# KiCad board dsv4.kicad_pcb
note: AISLER Project ID: MXJXBUFF
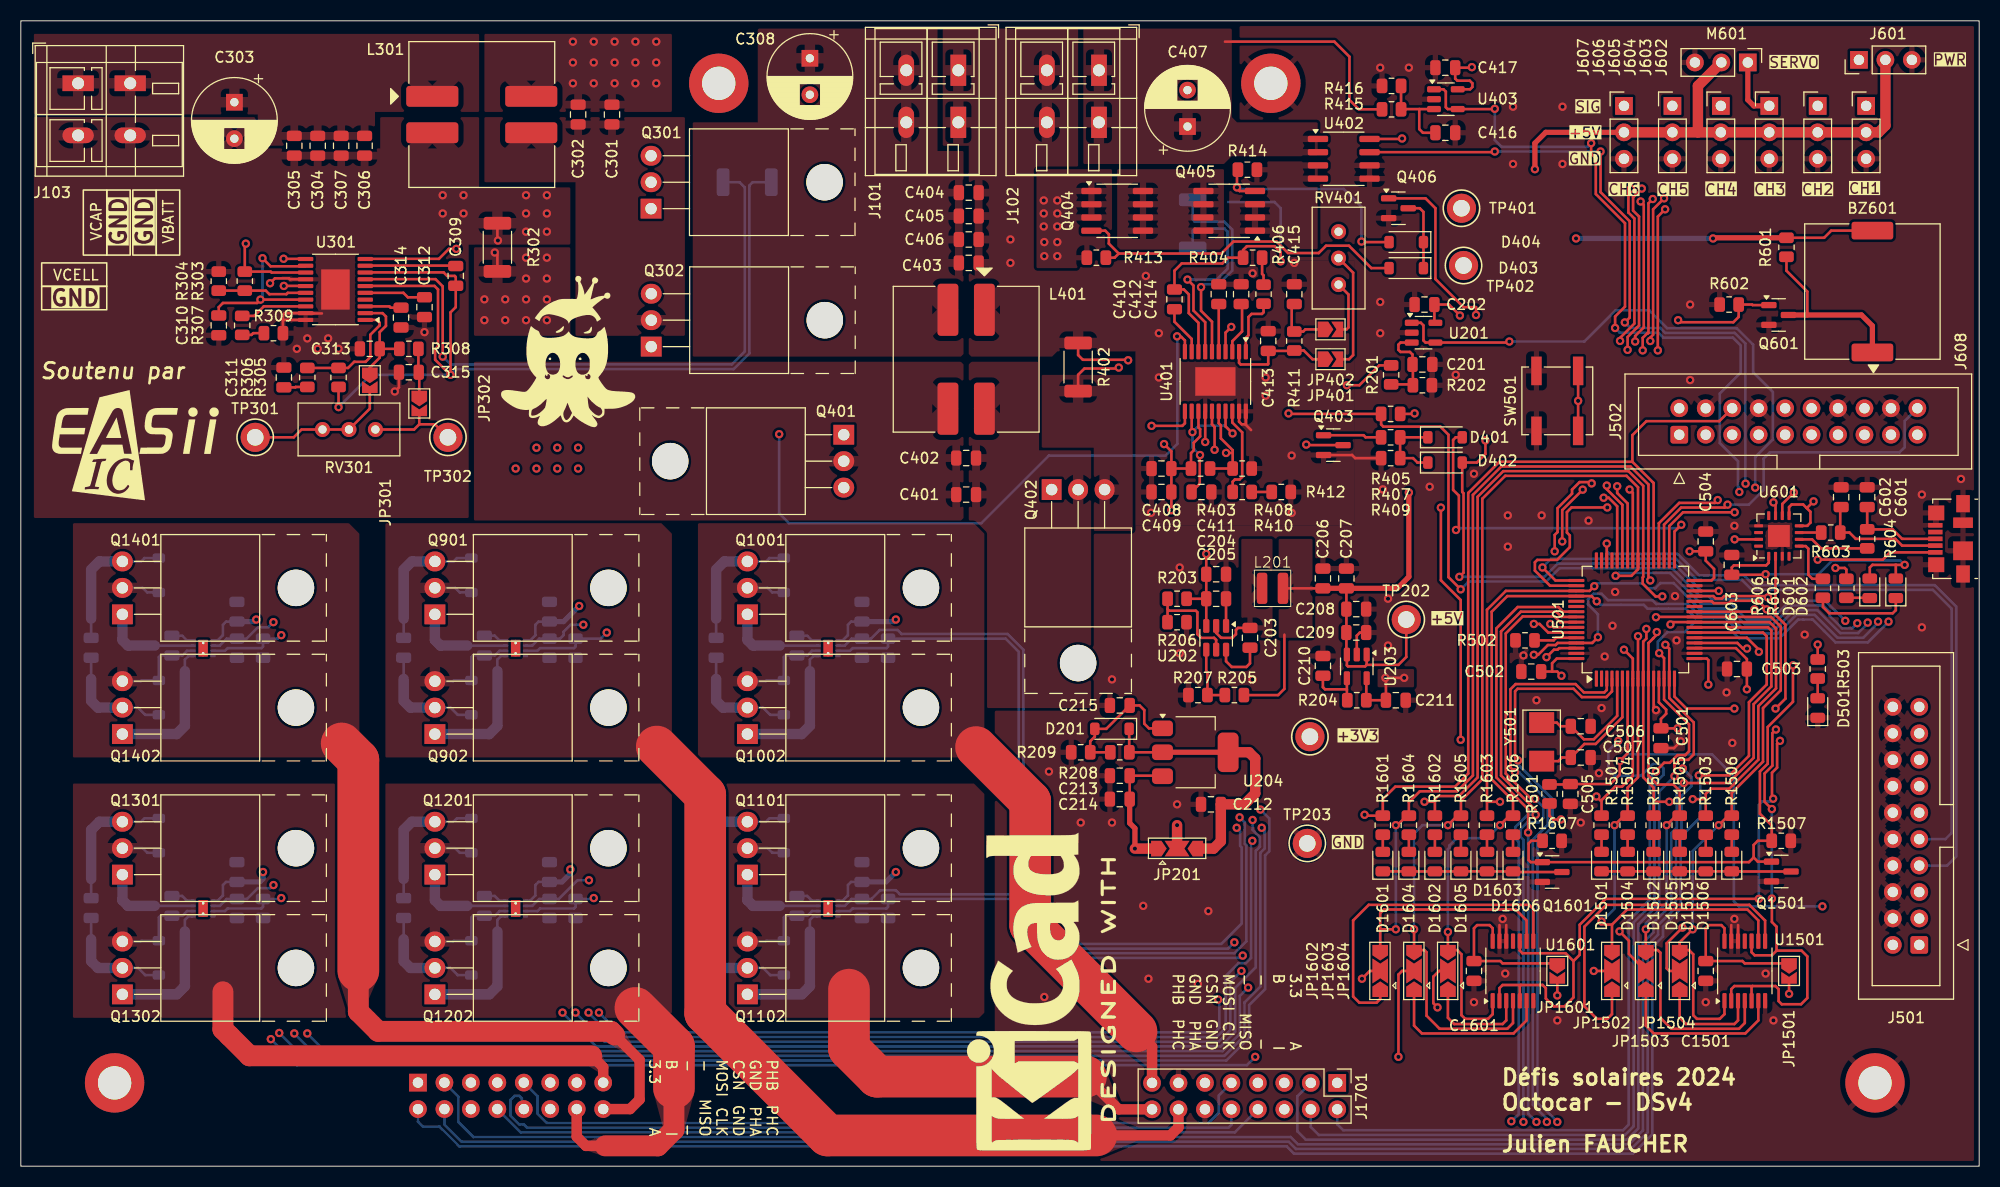
[diagram p0: board, top side]
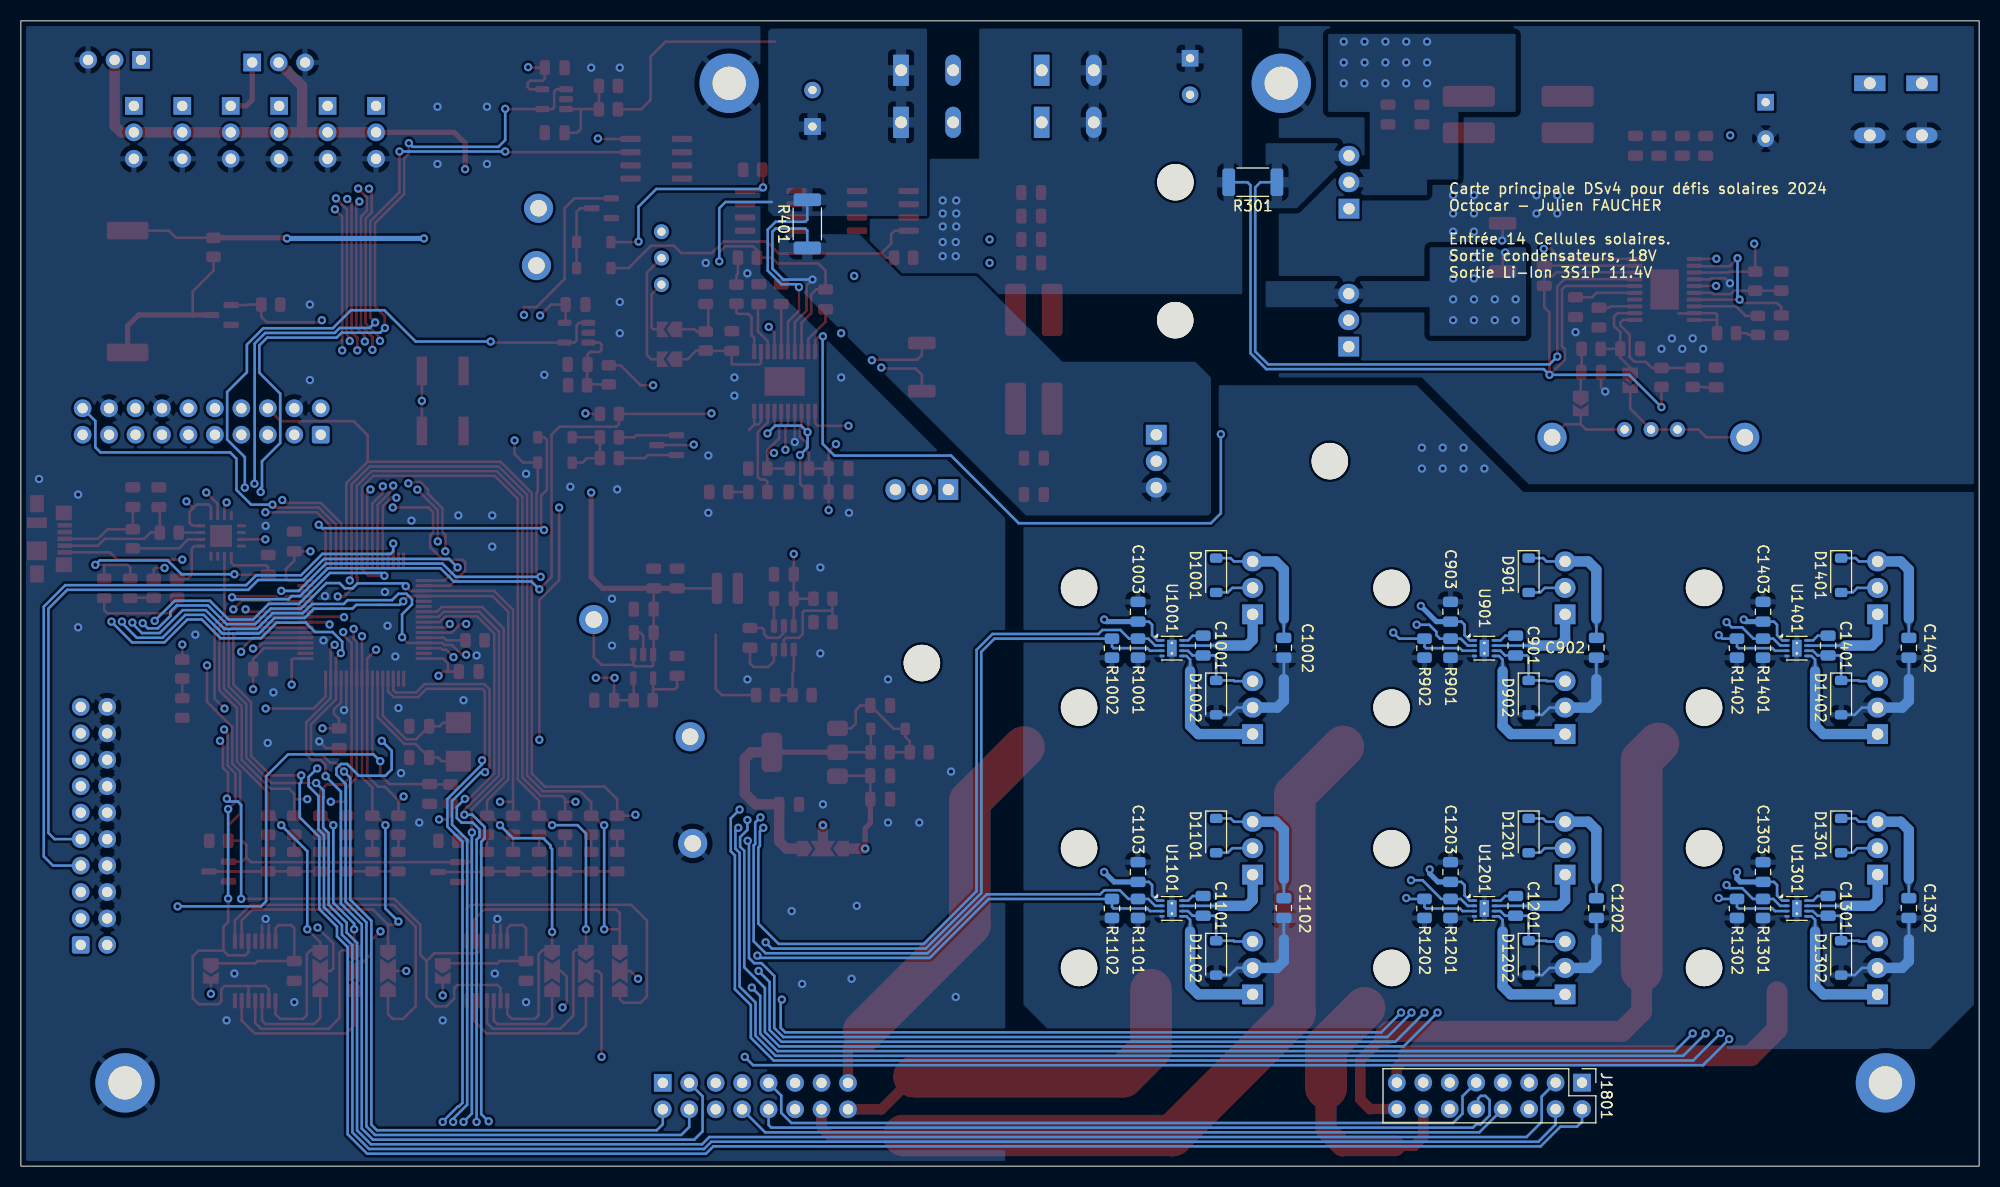
[diagram p1: board, bottom side, seen from below]

Outline 188 x 110 mm; copper layers: Top, In1.Cu, In2.Cu, Bottom. Coordinates in mm from the lower left corner of the outline.
Outline path: rectangle 0,110 188,0
Stack: Top 0.035mm / dielectric 0.1mm FR4 er 4.5 / In1.Cu 0.035mm / dielectric 1.24mm FR4 er 4.5 / In2.Cu 0.035mm / dielectric 0.1mm FR4 er 4.5 / Bottom 0.035mm

## Placement (name value [footprint] x y rotation side)
BZ601  -  [PKLCS1212E4001-R1]  177.75 84 270 top
C201  4.7u  [C_0805_2012Metric]  134.55 77 0 top
C202  100n  [C_0805_2012Metric]  134.75 82.75 180 top
C203  100n  [C_0805_2012Metric]  118 50.75 90 top
C204  2.2u  [C_0805_2012Metric]  114.75 56.85 0 top
C205  100n  [C_0805_2012Metric]  114.75 54.5 0 top
C206  10u  [C_0805_2012Metric]  125 56.44 90 top
C207  10u  [C_0805_2012Metric]  127.25 56.44 90 top
C208  1u  [C_0805_2012Metric]  128.2 53.5 0 top
C209  100n  [C_0805_2012Metric]  128.2 51.25 0 top
C210  10n  [C_0805_2012Metric]  125 48.05 90 top
C211  1u  [C_0805_2012Metric]  132 44.75 0 top
C212  1u  [C_0805_2012Metric]  114.25 34.75 180 top  (not fitted)
C213  1u  [C_0805_2012Metric]  105.5 37.5 180 top  (not fitted)
C214  100n  [C_0805_2012Metric]  105.5 35.25 180 top  (not fitted)
C215  1u  [C_0805_2012Metric]  105.5 44.25 180 top  (not fitted)
C301  10u  [C_0805_2012Metric]  56.75 101 270 top
C302  10u  [C_0805_2012Metric]  53.5 101 270 top
C303  220u  [CP_Radial_D8.0mm_P3.50mm]  20.5 102.18 270 top
C304  10u  [C_0805_2012Metric]  28.5 98 270 top
C305  10u  [C_0805_2012Metric]  26.25 98 270 top
C306  10u  [C_0805_2012Metric]  33 98 270 top
C307  10u  [C_0805_2012Metric]  30.75 98 270 top
C308  220u  [CP_Radial_D8.0mm_P3.50mm]  75.75 106.4 270 top
C309  2.2u  [C_0805_2012Metric]  41.75 85.5 90 top
C310  2.2u  [C_0805_2012Metric]  19 80.75 270 top
C311  C  [C_0805_2012Metric]  25.25 75.75 90 top  (not fitted)
C312  62n  [C_0805_2012Metric]  38.75 82.5 270 top
C313  100p  [C_0805_2012Metric]  33.5 78.5 180 top
C314  560n  [C_0805_2012Metric]  36.5 81.5 270 top
C315  4.7n  [C_0805_2012Metric]  37.25 76.25 180 top
C401  10u  [C_0805_2012Metric]  90.75 64.5 0 top
C402  10u  [C_0805_2012Metric]  90.75 68.01 0 top
C403  10u  [C_0805_2012Metric]  91 86.75 0 top
C404  10u  [C_0805_2012Metric]  91 93.5 0 top
C405  10u  [C_0805_2012Metric]  91 91.25 0 top
C406  10u  [C_0805_2012Metric]  91 89 0 top
C407  220u  [CP_Radial_D8.0mm_P3.50mm]  112 99.85 90 top
C408  10u  [C_0805_2012Metric]  109.5 67 180 top
C409  100n  [C_0805_2012Metric]  109.5 64.75 180 top
C410  2.2u  [C_0805_2012Metric]  110.75 83.25 270 top
C411  2.2u  [C_0805_2012Metric]  113.34 64.75 0 top
C412  62n  [C_0805_2012Metric]  115 83.75 90 top
C413  100p  [C_0805_2012Metric]  119.75 79.25 90 top
C414  560n  [C_0805_2012Metric]  117.15 83.75 90 top
C415  4.7n  [C_0805_2012Metric]  122.25 83.75 90 top
C416  4.7u  [C_0805_2012Metric]  136.75 99.25 0 top
C417  100n  [C_0805_2012Metric]  136.75 105.5 180 top
C501  100n  [C_0805_2012Metric]  157.45 41.1 270 top
C502  100n  [C_0805_2012Metric]  145 47.5 180 top
C503  100n  [C_0805_2012Metric]  164.75 47.75 180 top
C504  100n  [C_0805_2012Metric]  161.75 60 90 top
C505  100n  [C_0805_2012Metric]  148.75 35.75 270 top
C506  18p  [C_0805_2012Metric]  149.75 42.25 0 top
C507  18p  [C_0805_2012Metric]  149.75 39.25 0 top
C601  47p  [C_0805_2012Metric]  177.25 64.25 90 top  (not fitted)
C602  47p  [C_0805_2012Metric]  174.75 64.25 90 top  (not fitted)
C603  100n  [C_0805_2012Metric]  164.25 57.75 90 top
C901  100n  [C_0805_2012Metric]  44.5 50 270 bottom
C902  1n  [C_0805_2012Metric]  36.75 49.79 270 bottom  (not fitted)
C903  1u  [C_0805_2012Metric]  50.75 53.25 90 bottom
C1001  100n  [C_0805_2012Metric]  74.5 50 270 bottom
C1002  1n  [C_0805_2012Metric]  66.75 49.79 270 bottom  (not fitted)
C1003  1u  [C_0805_2012Metric]  80.75 53.25 90 bottom
C1101  100n  [C_0805_2012Metric]  74.5 25 270 bottom
C1102  1n  [C_0805_2012Metric]  66.75 24.79 270 bottom  (not fitted)
C1103  1u  [C_0805_2012Metric]  80.75 28.25 90 bottom
C1201  100n  [C_0805_2012Metric]  44.5 25 270 bottom
C1202  1n  [C_0805_2012Metric]  36.75 24.79 270 bottom  (not fitted)
C1203  1u  [C_0805_2012Metric]  50.75 28.25 90 bottom
C1301  100n  [C_0805_2012Metric]  14.5 25 270 bottom
C1302  1n  [C_0805_2012Metric]  6.75 24.79 270 bottom  (not fitted)
C1303  1u  [C_0805_2012Metric]  20.75 28.25 90 bottom
C1401  100n  [C_0805_2012Metric]  14.5 50 270 bottom
C1402  1n  [C_0805_2012Metric]  6.75 49.79 270 bottom  (not fitted)
C1403  1u  [C_0805_2012Metric]  20.75 53.25 90 bottom
C1501  100n  [C_0805_2012Metric]  161.75 18.75 270 top
C1601  100n  [C_0805_2012Metric]  139.5 18.75 270 top
D201  B5819W-TP  [D_SOD-123]  104.75 42 180 top  (not fitted)
D401  B5819W-TP  [D_SOD-123]  136.72 70 0 top
D402  B5819W-TP  [D_SOD-123]  136.72 67.58 0 top
D403  B5819W-TP  [D_SOD-123]  133 86.25 180 top
D404  B5819W-TP  [D_SOD-123]  133 88.75 180 top
D501  RED  [LED_0805_2012Metric]  172.5 44 90 top
D601  LED  [LED_0805_2012Metric]  177.5 55.5 90 top
D602  LED  [LED_0805_2012Metric]  180 55.5 90 top
D901  B5819W-TP  [D_SOD-123]  43.25 56.75 270 bottom
D902  B5819W-TP  [D_SOD-123]  43.25 45 270 bottom
D1001  B5819W-TP  [D_SOD-123]  73.25 56.75 270 bottom
D1002  B5819W-TP  [D_SOD-123]  73.25 45 270 bottom
D1101  B5819W-TP  [D_SOD-123]  73.25 31.75 270 bottom
D1102  B5819W-TP  [D_SOD-123]  73.25 20 270 bottom
D1201  B5819W-TP  [D_SOD-123]  43.25 31.75 270 bottom
D1202  B5819W-TP  [D_SOD-123]  43.25 20 270 bottom
D1301  B5819W-TP  [D_SOD-123]  13.25 31.75 270 bottom
D1302  B5819W-TP  [D_SOD-123]  13.25 20 270 bottom
D1401  B5819W-TP  [D_SOD-123]  13.25 56.75 270 bottom
D1402  B5819W-TP  [D_SOD-123]  13.25 45 270 bottom
D1501  RED  [LED_0805_2012Metric]  151.75 29.25 90 top
D1502  RED  [LED_0805_2012Metric]  156.75 29.25 90 top
D1503  RED  [LED_0805_2012Metric]  161.75 29.25 90 top
D1504  BLUE  [LED_0805_2012Metric]  154.25 29.25 90 top
D1505  BLUE  [LED_0805_2012Metric]  159.25 29.25 90 top
D1506  BLUE  [LED_0805_2012Metric]  164.25 29.25 90 top
D1601  RED  [LED_0805_2012Metric]  130.75 29.25 90 top
D1602  RED  [LED_0805_2012Metric]  135.75 29.25 90 top
D1603  RED  [LED_0805_2012Metric]  140.75 29.25 90 top
D1604  BLUE  [LED_0805_2012Metric]  133.25 29.25 90 top
D1605  BLUE  [LED_0805_2012Metric]  138.25 29.25 90 top
D1606  BLUE  [LED_0805_2012Metric]  143.25 29.25 90 top
G***  -  [LOGO]  11 69.25 0 top
G***#2  -  [LOGO]  137 6.5 0 top
G***#3  -  [LOGO]  52.5 78.25 0 top
J101  Conn_01x02  [TerminalBlock_WAGO_236-402_1x02_P5.00mm_45Degree]  90 100.25 180 top
J102  Conn_01x02  [TerminalBlock_WAGO_236-402_1x02_P5.00mm_45Degree]  103.5 100.25 180 top
J103  Conn_01x02  [TerminalBlock_WAGO_236-402_1x02_P5.00mm_45Degree]  10.5 104 270 top
J501  Conn_ARM_JTAG_SWD_20  [IDC-Header_2x10_P2.54mm_Vertical]  182.25 21.25 180 top
J502  Debug  [IDC-Header_2x10_P2.54mm_Vertical]  159.21 70.25 90 top
J601  Transponder  [PinHeader_1x03_P2.54mm_Vertical]  176.46 106.25 90 top
J602  Conn_01x03  [PinHeader_1x03_P2.54mm_Vertical]  177.15 101.83 0 top
J603  Conn_01x03  [PinHeader_1x03_P2.54mm_Vertical]  172.5 101.83 0 top
J604  Conn_01x03  [PinHeader_1x03_P2.54mm_Vertical]  167.85 101.83 0 top
J605  Conn_01x03  [PinHeader_1x03_P2.54mm_Vertical]  163.2 101.83 0 top
J606  Conn_01x03  [PinHeader_1x03_P2.54mm_Vertical]  158.55 101.83 0 top
J607  Conn_01x03  [PinHeader_1x03_P2.54mm_Vertical]  153.9 101.83 0 top
J608  USB_B_Micro  [USB_Micro-B_Molex_47346-0001]  185.25 60.25 90 top
J1701  Conn_02x08_Odd_Even  [PinHeader_2x08_P2.54mm_Vertical]  126.38 8 270 top
J1801  Conn_02x08_Odd_Even  [PinHeader_2x08_P2.54mm_Vertical]  38.12 8.03 270 bottom
JP201  DRIVE VSEL  [SolderJumper-3_P2.0mm_Open_TrianglePad1.0x1.5mm]  111 30.5 0 top
JP301  JP_COMP  [SolderJumper-2_P1.3mm_Open_TrianglePad1.0x1.5mm]  33.5 75.47 270 top
JP302  JP_COMP  [SolderJumper-2_P1.3mm_Open_TrianglePad1.0x1.5mm]  38.25 73.25 270 top
JP401  JP_COMP  [SolderJumper-2_P1.3mm_Open_TrianglePad1.0x1.5mm]  125.72 77.5 0 top
JP402  JP_COMP  [SolderJumper-2_P1.3mm_Open_TrianglePad1.0x1.5mm]  125.72 80.36 0 top
JP1501  AND_PWR  [SolderJumper-2_P1.3mm_Open_TrianglePad1.0x1.5mm]  169.75 18.75 270 top
JP1502  AND_BYP  [SolderJumper-3_P2.0mm_Open_TrianglePad1.0x1.5mm]  152.75 18.75 90 top
JP1503  AND_BYP  [SolderJumper-3_P2.0mm_Open_TrianglePad1.0x1.5mm]  156 18.75 90 top
JP1504  AND_BYP  [SolderJumper-3_P2.0mm_Open_TrianglePad1.0x1.5mm]  159.25 18.75 90 top
JP1601  AND_PWR  [SolderJumper-2_P1.3mm_Open_TrianglePad1.0x1.5mm]  147.5 18.75 270 top
JP1602  AND_BYP  [SolderJumper-3_P2.0mm_Open_TrianglePad1.0x1.5mm]  130.5 18.75 90 top
JP1603  AND_BYP  [SolderJumper-3_P2.0mm_Open_TrianglePad1.0x1.5mm]  133.75 18.75 90 top
JP1604  AND_BYP  [SolderJumper-3_P2.0mm_Open_TrianglePad1.0x1.5mm]  137 18.75 90 top
L201  3.3u  [VLS3015CX]  120.16 55.5 0 top
L301  3.3u  [Coilcraft_MSD1260T]  44.25 101 90 top
L401  3.3u  [Coilcraft_MSD1260T]  90.75 77.5 0 top
M601  Servo direction  [PinHeader_1x03_P2.54mm_Vertical]  165.79 106 270 top
P1  CONN_01X01  [MountingHole_3.2mm_M3_ISO7380_Pad]  120 104 0 top
P2  CONN_01X01  [MountingHole_3.2mm_M3_ISO7380_Pad]  9 8 0 top
P3  CONN_01X01  [MountingHole_3.2mm_M3_ISO7380_Pad]  178 8 0 top
P4  CONN_01X01  [MountingHole_3.2mm_M3_ISO7380_Pad]  67 104 0 top
Q301  IXTP28P065T  [TO-220-3_Horizontal_TabUp]  60.5 91.96 90 top
Q302  TK4R3E06PL  [TO-220-3_Horizontal_TabUp]  60.52 78.71 90 top
Q401  IXTP28P065T  [TO-220-3_Horizontal_TabUp]  79 70.25 270 top
Q402  TK4R3E06PL  [TO-220-3_Horizontal_TabUp]  98.96 64.98 0 top
Q403  IRLML0030  [SOT-23]  126 69.25 0 top
Q404  FDS6681Z  [SOIC-8_3.9x4.9mm_P1.27mm]  105.25 91.75 0 top
Q405  FDS6681Z  [SOIC-8_3.9x4.9mm_P1.27mm]  116 91.75 180 top
Q406  IRLML0030  [SOT-23]  132.25 92 0 top
Q601  IRLML0030  [SOT-23]  168.75 81.75 0 top
Q901  TK4R3E06PL  [TO-220-3_Horizontal_TabUp]  39.75 53 90 top
Q902  TK4R3E06PL  [TO-220-3_Horizontal_TabUp]  39.75 41.5 90 top
Q1001  TK4R3E06PL  [TO-220-3_Horizontal_TabUp]  69.75 53 90 top
Q1002  TK4R3E06PL  [TO-220-3_Horizontal_TabUp]  69.75 41.5 90 top
Q1101  TK4R3E06PL  [TO-220-3_Horizontal_TabUp]  69.75 28 90 top
Q1102  TK4R3E06PL  [TO-220-3_Horizontal_TabUp]  69.75 16.5 90 top
Q1201  TK4R3E06PL  [TO-220-3_Horizontal_TabUp]  39.75 28 90 top
Q1202  TK4R3E06PL  [TO-220-3_Horizontal_TabUp]  39.75 16.5 90 top
Q1301  TK4R3E06PL  [TO-220-3_Horizontal_TabUp]  9.75 28 90 top
Q1302  TK4R3E06PL  [TO-220-3_Horizontal_TabUp]  9.75 16.5 90 top
Q1401  TK4R3E06PL  [TO-220-3_Horizontal_TabUp]  9.75 53 90 top
Q1402  TK4R3E06PL  [TO-220-3_Horizontal_TabUp]  9.75 41.5 90 top
Q1501  IRLML0030  [SOT-23]  169 28.3 0 top
Q1601  IRLML0030  [SOT-23]  147 28.25 0 top
R201  33k  [R_0805_2012Metric]  131.55 76 270 top
R202  5.6k  [R_0805_2012Metric]  134.55 75 0 top
R203  150k  [R_0805_2012Metric]  111 54.5 0 top
R204  NM  [R_0805_2012Metric]  128.25 44.75 180 top  (not fitted)
R205  150k  [R_0805_2012Metric]  116.5 45.25 0 top
R206  33k  [R_0805_2012Metric]  111 52.25 180 top
R207  20k  [R_0805_2012Metric]  113 45.25 0 top
R208  2k  [R_0805_2012Metric]  105.5 39.75 180 top  (not fitted)
R209  20k  [R_0805_2012Metric]  101.75 39.75 180 top  (not fitted)
R301  33m  [R_2010_5025Metric]  69.73 94.5 0 bottom
R302  1m  [R_2010_5025Metric]  45.75 88.25 90 top
R303  18k  [R_0805_2012Metric]  21.5 85 270 top
R304  4.7k  [R_0805_2012Metric]  19 85 90 top
R305  200k  [R_0805_2012Metric]  30.5 75.75 90 top
R306  R  [R_0805_2012Metric]  27.5 75.75 270 top  (not fitted)
R307  120k  [R_0805_2012Metric]  21.25 80.75 270 top
R308  R  [R_0805_2012Metric]  37.25 78.5 0 top  (not fitted)
R309  22k  [R_0805_2012Metric]  24.25 80 0 top
R401  33m  [R_2010_5025Metric]  112.5 90.5 90 bottom
R402  1m  [R_2010_5025Metric]  101.5 76.75 90 top
R403  18k  [R_0805_2012Metric]  113.25 67 0 top
R404  68k  [R_0805_2012Metric]  118.25 87.25 0 top
R405  10k  [R_0805_2012Metric]  131.5 72.25 180 top
R406  68k  [R_0805_2012Metric]  119.3 83.75 270 top
R407  4.7k  [R_0805_2012Metric]  131.5 70 180 top
R408  4.7k  [R_0805_2012Metric]  117.25 67 0 top
R409  10k  [R_0805_2012Metric]  131.5 68 180 top
R410  120k  [R_0805_2012Metric]  117.25 64.75 0 top
R411  R  [R_0805_2012Metric]  122.25 79.25 90 top  (not fitted)
R412  22k  [R_0805_2012Metric]  121 64.75 0 top
R413  10k  [R_0805_2012Metric]  103.25 87.25 0 top
R414  10k  [R_0805_2012Metric]  117.75 95.7 180 top
R415  33k  [R_0805_2012Metric]  131.59 101.5 0 top
R416  5.6k  [R_0805_2012Metric]  131.59 103.75 180 top
R501  10k  [R_0805_2012Metric]  146.75 35.75 90 top
R502  10k  [R_0805_2012Metric]  144.4 50.5 0 top
R503  3k3  [R_0805_2012Metric]  172.5 47.75 270 top
R601  1k  [R_0805_2012Metric]  169.5 88.25 270 top
R602  100k  [R_0805_2012Metric]  164 82.75 180 top
R603  27  [R_0805_2012Metric]  173.75 60.85 0 top
R604  27  [R_0805_2012Metric]  177.25 60.25 90 top
R605  1k  [R_0805_2012Metric]  175.25 55.5 90 top
R606  1k  [R_0805_2012Metric]  173 55.5 90 top
R901  100k  [R_0805_2012Metric]  50.75 49.75 270 bottom
R902  100k  [R_0805_2012Metric]  53.25 49.75 270 bottom
R1001  100k  [R_0805_2012Metric]  80.75 49.75 270 bottom
R1002  100k  [R_0805_2012Metric]  83.25 49.75 270 bottom
R1101  100k  [R_0805_2012Metric]  80.75 24.75 270 bottom
R1102  100k  [R_0805_2012Metric]  83.25 24.75 270 bottom
R1201  100k  [R_0805_2012Metric]  50.75 24.75 270 bottom
R1202  100k  [R_0805_2012Metric]  53.25 24.75 270 bottom
R1301  100k  [R_0805_2012Metric]  20.75 24.75 270 bottom
R1302  100k  [R_0805_2012Metric]  23.25 24.75 270 bottom
R1401  100k  [R_0805_2012Metric]  20.75 49.75 270 bottom
R1402  100k  [R_0805_2012Metric]  23.25 49.75 270 bottom
R1501  3k3  [R_0805_2012Metric]  151.75 32.75 270 top
R1502  3k3  [R_0805_2012Metric]  156.75 32.75 270 top
R1503  3k3  [R_0805_2012Metric]  161.75 32.75 270 top
R1504  3k3  [R_0805_2012Metric]  154.25 32.75 270 top
R1505  3k3  [R_0805_2012Metric]  159.25 32.75 270 top
R1506  3k3  [R_0805_2012Metric]  164.25 32.75 270 top
R1507  100k  [R_0805_2012Metric]  169 31.25 0 top
R1601  3k3  [R_0805_2012Metric]  130.75 32.75 270 top
R1602  3k3  [R_0805_2012Metric]  135.75 32.75 270 top
R1603  3k3  [R_0805_2012Metric]  140.75 32.75 270 top
R1604  3k3  [R_0805_2012Metric]  133.25 32.75 270 top
R1605  3k3  [R_0805_2012Metric]  138.25 32.75 270 top
R1606  3k3  [R_0805_2012Metric]  143.25 32.75 270 top
R1607  100k  [R_0805_2012Metric]  147 31.25 0 top
REF**  -  [KiCad-Logo2_12mm_SilkScreen]  96.75 16.75 90 top
RV301  100k (10k)  [Potentiometer_Bourns_3296W_Vertical]  28.96 70.75 180 top
RV401  100k (10k)  [Potentiometer_Bourns_3296W_Vertical]  126.5 89.75 90 top
SW501  B3SL-1022P  [SW_SPST_B3SL-1022P]  147.5 73.5 90 top
TP201  TestPoint  [TestPoint_Keystone_5010-5014_Multipurpose]  123.75 41.25 0 top
TP202  TestPoint  [TestPoint_Keystone_5010-5014_Multipurpose]  133 52.5 0 top
TP203  TestPoint  [TestPoint_Keystone_5010-5014_Multipurpose]  123.5 31 0 top
TP301  TP_RCOMP_H  [TestPoint_Keystone_5010-5014_Multipurpose]  22.5 70 0 top
TP302  TP_RCOMP_L  [TestPoint_Keystone_5010-5014_Multipurpose]  41 70 0 top
TP401  TP_RCOMP_H  [TestPoint_Keystone_5010-5014_Multipurpose]  138.3 92 0 top
TP402  TP_RCOMP_L  [TestPoint_Keystone_5010-5014_Multipurpose]  138.5 86.5 0 top
U201  TSV911xxLx  [SOT-23-5]  134.66 80.05 0 top
U202  LMR51430  [SOT-23-6]  114.75 50.75 270 top
U203  LDK130M33R  [SOT-23-5]  128.25 48 270 top
U204  LM317_SOT-223  [SOT-223-3_TabPin2]  112.75 39.75 0 top  (not fitted)
U301  LT8710  [HTSSOP-20-1EP_4.4x6.5mm_P0.65mm_EP2.74x3.86mm]  30.2 84.2 180 top
U401  LT8710  [HTSSOP-20-1EP_4.4x6.5mm_P0.65mm_EP2.74x3.86mm]  114.68 75.36 270 top
U402  TMCS1101  [SOIC-8_3.9x4.9mm_P1.27mm]  127 96.75 0 top
U403  TSV911xxLx  [SOT-23-5]  136.8 102.47 0 top
U501  STM32L476RGTx  [LQFP-64_10x10mm_P0.5mm]  155 52.5 90 top
U601  FT230XQ  [QFN-16-1EP_4x4mm_P0.65mm_EP2.1x2.1mm]  168.78 60.53 90 top
U901  LM2105  [WSON-8-1EP_2x2mm_P0.5mm_EP0.9x1.6mm_ThermalVias]  47.5 49.75 180 bottom
U1001  LM2105  [WSON-8-1EP_2x2mm_P0.5mm_EP0.9x1.6mm_ThermalVias]  77.5 49.75 180 bottom
U1101  LM2105  [WSON-8-1EP_2x2mm_P0.5mm_EP0.9x1.6mm_ThermalVias]  77.5 24.75 180 bottom
U1201  LM2105  [WSON-8-1EP_2x2mm_P0.5mm_EP0.9x1.6mm_ThermalVias]  47.5 24.75 180 bottom
U1301  LM2105  [WSON-8-1EP_2x2mm_P0.5mm_EP0.9x1.6mm_ThermalVias]  17.5 24.75 180 bottom
U1401  LM2105  [WSON-8-1EP_2x2mm_P0.5mm_EP0.9x1.6mm_ThermalVias]  17.5 49.75 180 bottom
U1501  74LS08  [TSSOP-14_4.4x5mm_P0.65mm]  165.5 18.75 90 top
U1601  74LS08  [TSSOP-14_4.4x5mm_P0.65mm]  143.25 18.75 90 top
Y501  8MHz  [Crystal_SMD_5032-2Pin_5.0x3.2mm]  146 40.75 270 top

## Library data of the parts
BZ601 = -: Datasheet: https://www.murata.com/products/productdata/8801054490654/SPEC-PKLCS1212E4001-R1.pdf; Description: Buzzer, polarized; ki_fp_filters: *Buzzer*
C201 C202 C206 C207 C301 C302 C304-C307 C309-C311 C313 C315 C401-C406 C408-C411 C413 C415-C417 C501-C507 C601-C603 C903 C1003 C1103 C1203 C1303 C1403 C1501 C1601 = -: Description: Unpolarized capacitor; ki_fp_filters: C_*
C203 = -: Mouser SKU: 581-0805YC104M4T2A; MPN: 0805YC104M4T2A; ki_fp_filters: C_*
C204 C205 C208-C215 C901 C902 C1001 C1002 C1101 C1102 C1201 C1202 C1301 C1302 C1401 C1402 = -: ki_fp_filters: C_*
C303 C308 C407 = -: Datasheet: https://www.mouser.fr/datasheet/2/447/KEM_A4072_A759-3316694.pdf; Description: Polarized capacitor; MPN: A759KR227M1VAAE024; ki_fp_filters: CP_*
C312 C412 = -: Description: Unpolarized capacitor; Name: C_{IMON}; ki_fp_filters: C_*
C314 C414 = -: Description: Unpolarized capacitor; Name: C_{SS}; ki_fp_filters: C_*
D201 D401-D404 D901 D902 D1001 D1002 D1101 D1102 D1201 D1202 D1301 D1302 D1401 D1402 = -: Description: Schottky diode; ki_fp_filters: TO-???* *_Diode_* *SingleDiode* D_*
D501 D601 D602 D1501-D1506 D1601-D1606 = -: Description: Light emitting diode; ki_fp_filters: LED* LED_SMD:* LED_THT:*
J101-J103 = -: Description: Generic connector, single row, 01x02, script generated (kicad-library-utils/schlib/autogen/connector/); ki_fp_filters: Connector*:*_1x??_*
J501 = -: Datasheet: http://infocenter.arm.com/help/topic/com.arm.doc.dui0499b/DUI0499B_system_design_reference.pdf; Description: Standard IDC20 Pinheader Connector, ARM legacy JTAG and SWD interface; ki_fp_filters: IDC*Header*P2.54mm* PinHeader*2x10*P2.54mm*
J502 = -: Description: Generic connector, double row, 02x10, odd/even pin numbering scheme (row 1 odd numbers, row 2 even numbers), script generated (kicad-library-utils/schlib/autogen/connector/); ki_fp_filters: Connector*:*_2x??_*
J601-J607 = -: Description: Generic connector, single row, 01x03, script generated (kicad-library-utils/schlib/autogen/connector/); ki_fp_filters: Connector*:*_1x??_*
J608 = -: Description: USB Micro Type B connector; ki_fp_filters: USB*
J1701 J1801 = -: Description: Generic connector, double row, 02x08, odd/even pin numbering scheme (row 1 odd numbers, row 2 even numbers), script generated (kicad-library-utils/schlib/autogen/connector/); ki_fp_filters: Connector*:*_2x??_*
JP201 = -: Description: Jumper, 3-pole, pins 1+2 closed/bridged; ki_fp_filters: Jumper* TestPoint*3Pads* TestPoint*Bridge*
JP301 JP302 JP401 JP402 = -: Description: Solder Jumper, 2-pole, closed/bridged; ki_fp_filters: SolderJumper*Bridged*
JP1501 JP1601 = -: Description: Solder Jumper, 2-pole, open; ki_fp_filters: SolderJumper*Open*
JP1502-JP1504 JP1602-JP1604 = -: Description: Solder Jumper, 3-pole, open; ki_fp_filters: SolderJumper*Open*
L201 = -: Datasheet: https://product.tdk.com/system/files/dam/doc/product/inductor/inductor/smd/catalog/inductor_commercial_power_vls3015cx-1_en.pdf; MPN: VLS3015CX-3R3M-1; Mouser SKU: 810-VLS3015CX3R3M1; ki_fp_filters: Choke_* *Coil* Inductor_* L_*
L301 L401 = -: Datasheet: https://www.coilcraft.com/getmedia/4de7e021-08b8-40f0-b82e-775185215575/msd1260t.pdf; Description: Coupled inductor; MPN: MSD1260T-332MLD; ki_fp_filters: Choke_* *Coil* Inductor_* L_*
M601 = -: Datasheet: http://forums.parallax.com/uploads/attachments/46831/74481.png; Description: Servo Motor (Futaba, HiTec, JR connector); ki_fp_filters: PinHeader*P2.54mm*
Q301 Q401 = -: Datasheet: https://www.mouser.fr/datasheet/2/240/media-3323024.pdf; Description: P-MOSFET transistor, gate/drain/source
Q302 Q402 Q901 Q902 Q1001 Q1002 Q1101 Q1102 Q1201 Q1202 Q1301 Q1302 Q1401 Q1402 = -: Datasheet: https://www.mouser.fr/datasheet/2/408/TK4R3E06PL_datasheet_en_20210120-1075493.pdf; Mouser SKU: 757-TK4R3E06PLS1X
Q403 Q406 Q601 Q1501 Q1601 = -: Datasheet: https://www.infineon.com/dgdl/irlml0030pbf.pdf?fileId=5546d462533600a401535664773825df; Description: 5.3A Id, 30V Vds, 27mOhm Rds, N-Channel HEXFET Power MOSFET, SOT-23; ki_fp_filters: SOT?23*
Q404 Q405 = -: Description: P-MOSFET transistor, gate/drain/source
R201 R202 R204 R303 R304 R306-R309 R403 R405 R407-R416 R501-R503 R601-R606 R901 R902 R1001 R1002 R1101 R1102 R1201 R1202 R1301 R1302 R1401 R1402 R1501-R1507 R1601-R1607 = -: Description: Resistor; ki_fp_filters: R_*